# Allegro board arena_12-12_v5.brd (continued)
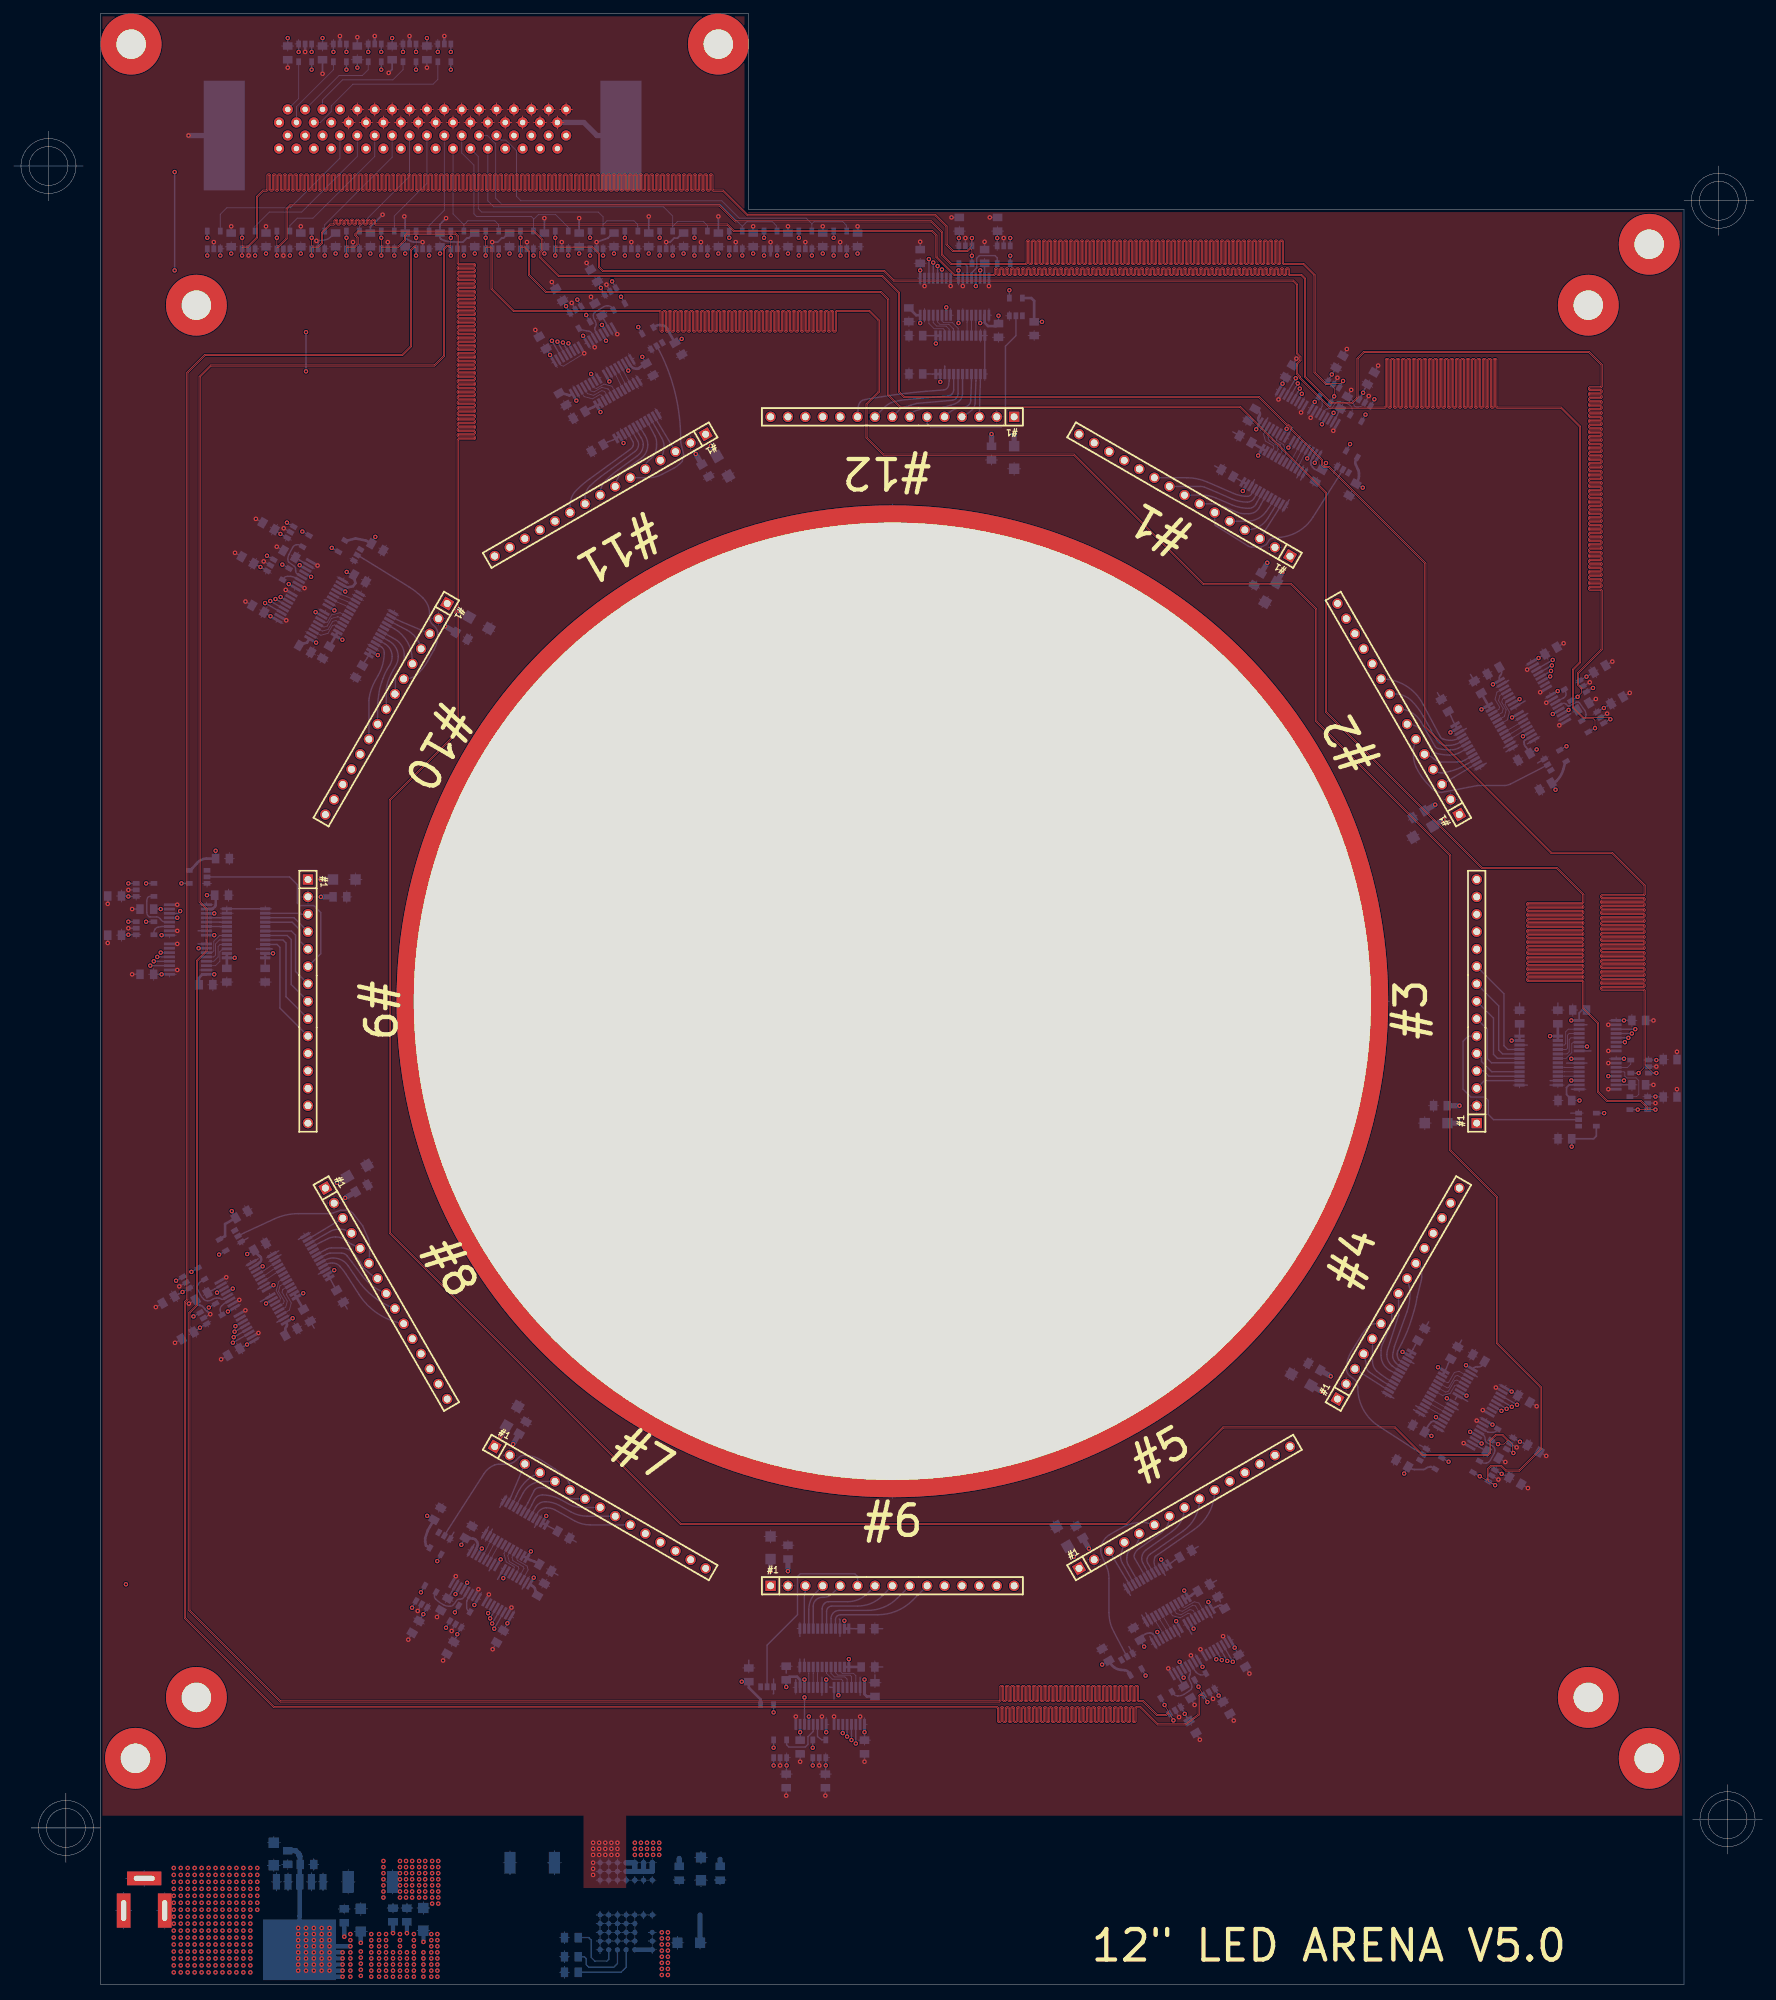
[diagram p0: board, top side]
## Routing (per net, layer and track width the routed paths; a pad name or vN(x,y) marks a point on that pad's centre or on a via; arc(x,y) is an arc through that point) (continued)
S8_P: length 513.7
  TOP w0.089: v1(233.09,184.67) 232.85,184.91 229.24,184.91 227.71,186.44 227.71,191.9 228.73,192.91 228.73,227.46 225.93,230.25 216.6,230.25 216.53,230.31 216.53,237.2 216.36,237.36 216.13,237.36 215.96,237.2 215.96,230.31 215.9,230.25 215.81,230.25 215.75,230.31 215.75,237.2 215.58,237.36 215.34,237.36 215.17,237.2 215.17,230.31 215.11,230.25 215.02,230.25 214.96,230.31 214.96,237.2 214.79,237.36 214.55,237.36 214.39,237.2 214.39,230.31 214.32,230.25 214.23,230.25 214.17,230.31 214.17,237.2 214,237.36 213.77,237.36 213.6,237.2 213.6,230.31 213.54,230.25 213.45,230.25 213.38,230.31 213.38,237.2 213.22,237.36 212.98,237.36 212.81,237.2 212.81,230.31 212.75,230.25 212.66,230.25 212.6,230.31 212.6,237.2 212.43,237.36 212.19,237.36 212.02,237.2 212.02,230.31 211.96,230.25 211.87,230.25 211.81,230.31 211.81,237.2 211.64,237.36 211.4,237.36 211.24,237.2 211.24,230.31 211.17,230.25 211.08,230.25 211.02,230.31 211.02,237.2 210.85,237.36 210.62,237.36 210.45,237.2 210.45,230.31 210.39,230.25 210.3,230.25 210.23,230.31 210.23,237.2 210.07,237.36 209.83,237.36 209.66,237.2 209.66,230.31 209.6,230.25 209.51,230.25 209.45,230.31 209.45,237.2 209.28,237.36 209.04,237.36 208.87,237.2 208.87,230.31 208.81,230.25 208.72,230.25 208.66,230.31 208.66,237.2 208.49,237.36 208.25,237.36 208.09,237.2 208.09,230.31 208.02,230.25 207.93,230.25 207.87,230.31 207.87,237.2 207.7,237.36 207.47,237.36 207.3,237.2 207.3,230.31 207.24,230.25 207.15,230.25 207.08,230.31 207.08,237.2 206.92,237.36 206.68,237.36 206.51,237.2 206.51,230.31 206.45,230.25 206.36,230.25 206.3,230.31 206.3,237.2 206.13,237.36 205.89,237.36 205.72,237.2 205.72,230.31 205.66,230.25 205.57,230.25 205.51,230.31 205.51,237.2 205.34,237.36 205.11,237.36 204.94,237.2 204.94,230.31 204.87,230.25 204.78,230.25 204.72,230.31 204.72,237.2 204.55,237.36 204.32,237.36 204.15,237.2 204.15,230.31 204.09,230.25 204,230.25 203.93,230.31 203.93,237.2 203.77,237.36 203.53,237.36 203.36,237.2 203.36,230.31 203.3,230.25 203.21,230.25 203.15,230.31 203.15,237.2 202.98,237.36 202.74,237.36 202.58,237.2 202.58,230.31 202.51,230.25 202.42,230.25 202.36,230.31 202.36,237.2 202.19,237.36 201.96,237.36 201.79,237.2 201.79,230.31 201.72,230.25 201.64,230.25 201.57,230.31 201.57,237.2 201.4,237.36 201.17,237.36 201,237.2 201,230.31 200.94,230.25 200.85,230.25 200.78,230.31 200.78,237.2 200.62,237.36 200.38,237.36 200.21,237.2 200.21,230.31 200.15,230.25 192.15,230.25 187.84,234.57 187.84,234.73 187.45,235.12 187.45,236.55 187.93,237.03 187.93,237.6 187.45,238.08 187.45,248.16 186.82,248.79 128.52,248.79 127.13,250.19 86.05,250.19 85.54,250.71 85.54,252.66 84.46,253.74 79.15,253.74 79.06,253.83 v1(79.06,254.95)
  BOTTOM w0.203: U65.4 v1(79.06,254.95) ; U66.3 v1(233.09,184.67)
S9_N: length 507.8
  TOP w0.089: v1(237.08,127.7) 238.2,127.7 238.29,127.79 238.29,128.11 237.54,128.85 232.59,128.85 231.22,130.23 231.22,140.26 229.06,142.42 229.06,146.31 228.99,146.38 221.02,146.38 220.85,146.54 220.85,146.78 221.02,146.95 228.99,146.95 229.06,147.01 229.06,147.1 228.99,147.16 221.02,147.16 220.85,147.33 220.85,147.57 221.02,147.73 228.99,147.73 229.06,147.8 229.06,147.89 228.99,147.95 221.02,147.95 220.85,148.12 220.85,148.35 221.02,148.52 228.99,148.52 229.06,148.58 229.06,148.67 228.99,148.74 221.02,148.74 220.85,148.9 220.85,149.14 221.02,149.31 228.99,149.31 229.06,149.37 229.06,149.46 228.99,149.52 221.02,149.52 220.85,149.69 220.85,149.93 221.02,150.1 228.99,150.1 229.06,150.16 229.06,150.25 228.99,150.31 221.02,150.31 220.85,150.48 220.85,150.72 221.02,150.88 228.99,150.88 229.06,150.95 229.06,151.04 228.99,151.1 221.02,151.1 220.85,151.27 220.85,151.5 221.02,151.67 228.99,151.67 229.06,151.73 229.06,151.82 228.99,151.89 221.02,151.89 220.85,152.05 220.85,152.29 221.02,152.46 228.99,152.46 229.06,152.52 229.06,152.61 228.99,152.67 221.02,152.67 220.85,152.84 220.85,153.08 221.02,153.25 228.99,153.25 229.06,153.31 229.06,153.4 228.99,153.46 221.02,153.46 220.85,153.63 220.85,153.87 221.02,154.03 228.99,154.03 229.06,154.1 229.06,154.19 228.99,154.25 221.02,154.25 220.85,154.42 220.85,154.65 221.02,154.82 228.99,154.82 229.06,154.88 229.06,154.97 228.99,155.04 221.02,155.04 220.85,155.2 220.85,155.44 221.02,155.61 228.99,155.61 229.06,155.67 229.06,155.76 228.99,155.82 221.02,155.82 220.85,155.99 220.85,156.23 221.02,156.4 228.99,156.4 229.06,156.46 229.06,156.55 228.99,156.61 221.02,156.61 220.85,156.78 220.85,157.02 221.02,157.18 228.99,157.18 229.06,157.25 229.06,157.34 228.99,157.4 221.02,157.4 220.85,157.57 220.85,157.8 221.02,157.97 228.99,157.97 229.06,158.03 229.06,159.06 225.22,162.89 214.3,162.89 191.47,185.72 191.47,217.73 179,230.2 129.34,230.2 127.58,231.96 127.58,245.93 126.55,246.96 86,246.96 86,246.96 77.66,246.96 75.13,249.48 75.13,252.91 74.48,253.57 74.07,253.57 73.98,253.48 v1(73.98,252.36)
  BOTTOM w0.203: U67.3 v1(73.98,252.36) ; U68.4 v1(237.08,127.7)
S9_P: length 508
  TOP w0.089: v1(73.98,254.95) 73.98,253.83 74.07,253.74 74.55,253.74 75.31,252.98 75.31,249.56 77.73,247.13 85.92,247.13 85.93,247.14 126.62,247.14 127.76,246 127.76,232.03 129.41,230.38 179.07,230.38 191.64,217.81 191.64,185.8 214.37,163.07 225.3,163.07 229.24,159.13 229.24,157.96 229.07,157.79 221.09,157.79 221.03,157.73 221.03,157.64 221.09,157.58 229.07,157.58 229.24,157.41 229.24,157.17 229.07,157.01 221.09,157.01 221.03,156.94 221.03,156.85 221.09,156.79 229.07,156.79 229.24,156.62 229.24,156.39 229.07,156.22 221.09,156.22 221.03,156.15 221.03,156.07 221.09,156 229.07,156 229.24,155.83 229.24,155.6 229.07,155.43 221.09,155.43 221.03,155.37 221.03,155.28 221.09,155.21 229.07,155.21 229.24,155.05 229.24,154.81 229.07,154.64 221.09,154.64 221.03,154.58 221.03,154.49 221.09,154.43 229.07,154.43 229.24,154.26 229.24,154.02 229.07,153.86 221.09,153.86 221.03,153.79 221.03,153.7 221.09,153.64 229.07,153.64 229.24,153.47 229.24,153.24 229.07,153.07 221.09,153.07 221.03,153 221.03,152.92 221.09,152.85 229.07,152.85 229.24,152.68 229.24,152.45 229.07,152.28 221.09,152.28 221.03,152.22 221.03,152.13 221.09,152.06 229.07,152.06 229.24,151.9 229.24,151.66 229.07,151.49 221.09,151.49 221.03,151.43 221.03,151.34 221.09,151.28 229.07,151.28 229.24,151.11 229.24,150.87 229.07,150.71 221.09,150.71 221.03,150.64 221.03,150.55 221.09,150.49 229.07,150.49 229.24,150.32 229.24,150.09 229.07,149.92 221.09,149.92 221.03,149.85 221.03,149.77 221.09,149.7 229.07,149.7 229.24,149.53 229.24,149.3 229.07,149.13 221.09,149.13 221.03,149.07 221.03,148.98 221.09,148.92 229.07,148.92 229.24,148.75 229.24,148.51 229.07,148.34 221.09,148.34 221.03,148.28 221.03,148.19 221.09,148.13 229.07,148.13 229.24,147.96 229.24,147.72 229.07,147.56 221.09,147.56 221.03,147.49 221.03,147.4 221.09,147.34 229.07,147.34 229.24,147.17 229.24,146.94 229.07,146.77 221.09,146.77 221.03,146.71 221.03,146.62 221.09,146.55 229.07,146.55 229.24,146.39 229.24,142.49 231.39,140.33 231.39,130.3 232.66,129.03 237.62,129.03 238.47,128.18 238.47,127.79 238.56,127.7 v1(239.67,127.7)
  BOTTOM w0.203: U68.3 v1(239.67,127.7) ; U67.4 v1(73.98,254.95)
S10_N: length 500.2
  TOP w0.089: v1(68.9,252.36) 68.9,253.48 68.99,253.57 69.52,253.57 69.67,253.42 69.67,247.45 72.94,244.18 94.28,244.18 94.34,244.11 94.34,241.34 94.51,241.17 94.74,241.17 94.91,241.34 94.91,244.11 94.98,244.18 95.06,244.18 95.13,244.11 95.13,241.34 95.3,241.17 95.53,241.17 95.7,241.34 95.7,244.11 95.76,244.18 95.85,244.18 95.92,244.11 95.92,241.34 96.08,241.17 96.32,241.17 96.49,241.34 96.49,244.11 96.55,244.18 96.64,244.18 96.7,244.11 96.7,241.34 96.87,241.17 97.11,241.17 97.27,241.34 97.27,244.11 97.34,244.18 97.43,244.18 97.49,244.11 97.49,241.34 97.66,241.17 97.89,241.17 98.06,241.34 98.06,244.11 98.13,244.18 98.21,244.18 98.28,244.11 98.28,241.34 98.45,241.17 98.68,241.17 98.85,241.34 98.85,244.11 98.91,244.18 99,244.18 99.07,244.11 99.07,241.34 99.23,241.17 99.47,241.17 99.64,241.34 99.64,244.11 99.7,244.18 99.79,244.18 99.85,244.11 99.85,241.34 100.02,241.17 100.26,241.17 100.42,241.34 100.42,244.11 100.49,244.18 100.58,244.18 100.64,244.11 100.64,241.34 100.81,241.17 101.04,241.17 101.21,241.34 101.21,244.11 101.27,244.18 101.36,244.18 101.43,244.11 101.43,241.34 101.59,241.17 101.83,241.17 102,241.34 102,244.11 102.06,244.18 102.15,244.18 102.21,244.11 102.21,241.34 102.38,241.17 102.62,241.17 102.79,241.34 102.79,244.11 102.85,244.18 102.94,244.18 103,244.11 103,241.34 103.17,241.17 103.41,241.17 103.57,241.34 103.57,244.11 103.64,244.18 103.73,244.18 103.79,244.11 103.79,241.34 103.96,241.17 104.19,241.17 104.36,241.34 104.36,244.11 104.42,244.18 104.51,244.18 104.58,244.11 104.58,241.34 104.74,241.17 104.98,241.17 105.15,241.34 105.15,244.11 105.21,244.18 105.3,244.18 105.36,244.11 105.36,241.34 105.53,241.17 105.77,241.17 105.94,241.34 105.94,244.11 106,244.18 106.09,244.18 106.15,244.11 106.15,241.34 106.32,241.17 106.56,241.17 106.72,241.34 106.72,244.11 106.79,244.18 106.88,244.18 106.94,244.11 106.94,241.34 107.11,241.17 107.34,241.17 107.51,241.34 107.51,244.11 107.57,244.18 107.66,244.18 107.73,244.11 107.73,241.34 107.89,241.17 108.13,241.17 108.3,241.34 108.3,244.11 108.36,244.18 108.45,244.18 108.51,244.11 108.51,241.34 108.68,241.17 108.92,241.17 109.09,241.34 109.09,244.11 109.15,244.18 109.24,244.18 109.3,244.11 109.3,241.34 109.47,241.17 109.71,241.17 109.87,241.34 109.87,244.11 109.94,244.18 110.03,244.18 110.09,244.11 110.09,241.34 110.26,241.17 110.49,241.17 110.66,241.34 110.66,244.11 110.72,244.18 110.81,244.18 110.88,244.11 110.88,241.34 111.04,241.17 111.28,241.17 111.45,241.34 111.45,244.11 111.51,244.18 111.6,244.18 111.66,244.11 111.66,241.34 111.83,241.17 112.07,241.17 112.23,241.34 112.23,244.11 112.3,244.18 112.39,244.18 112.45,244.11 112.45,241.34 112.62,241.17 112.85,241.17 113.02,241.34 113.02,244.11 113.09,244.18 113.17,244.18 113.24,244.11 113.24,241.34 113.41,241.17 113.64,241.17 113.81,241.34 113.81,244.11 113.87,244.18 113.96,244.18 114.03,244.11 114.03,241.34 114.19,241.17 114.43,241.17 114.6,241.34 114.6,244.11 114.66,244.18 114.75,244.18 114.81,244.11 114.81,241.34 114.98,241.17 115.22,241.17 115.38,241.34 115.38,244.11 115.45,244.18 115.54,244.18 115.6,244.11 115.6,241.34 115.77,241.17 116,241.17 116.17,241.34 116.17,244.11 116.24,244.18 116.32,244.18 116.39,244.11 116.39,241.34 116.56,241.17 116.79,241.17 116.96,241.34 116.96,244.11 117.02,244.18 117.11,244.18 117.18,244.11 117.18,241.34 117.34,241.17 117.58,241.17 117.75,241.34 117.75,244.11 117.81,244.18 117.9,244.18 117.96,244.11 117.96,241.34 118.13,241.17 118.37,241.17 118.53,241.34 118.53,244.11 118.6,244.18 118.69,244.18 118.75,244.11 118.75,241.34 118.92,241.17 119.15,241.17 119.32,241.34 119.32,244.11 119.39,244.18 119.47,244.18 119.54,244.11 119.54,241.34 119.71,241.17 119.94,241.17 120.11,241.34 120.11,244.11 120.17,244.18 124.89,244.18 126.18,242.88 126.18,232.48 124.41,230.71 124.41,225.73 126.93,223.22 154.74,223.22 173.66,204.29 186.49,204.29 190.07,200.71 190.07,184.33 209.63,164.77 209.63,121.72 216.48,114.86 216.48,93.53 222.83,87.18 222.83,78.18 219.76,75.11 217.88,75.11 217.24,75.74 215.57,75.74 215.18,75.35 215.18,73.77 215.12,73.67 215.11,73.66 214.99,73.62 v1(214.02,74.18)
  BOTTOM w0.203: U69.3 v1(68.9,252.36) ; 213.03,74.75 v1(214.02,74.18)
S10_P: length 500.6
  TOP w0.089: v1(216.27,72.89) 215.3,73.45 215.27,73.57 215.33,73.68 215.35,73.72 215.35,75.27 215.65,75.56 217.17,75.56 217.81,74.93 219.84,74.93 223.01,78.1 223.01,87.25 216.66,93.6 216.66,114.93 209.8,121.79 209.8,164.85 190.25,184.4 190.25,200.79 186.56,204.47 173.74,204.47 154.81,223.39 127,223.39 124.59,225.81 124.59,230.63 126.36,232.41 126.36,242.95 124.96,244.36 120.1,244.36 119.93,244.19 119.93,241.41 119.87,241.35 119.78,241.35 119.72,241.41 119.72,244.19 119.55,244.36 119.31,244.36 119.14,244.19 119.14,241.41 119.08,241.35 118.99,241.35 118.93,241.41 118.93,244.19 118.76,244.36 118.52,244.36 118.36,244.19 118.36,241.41 118.29,241.35 118.2,241.35 118.14,241.41 118.14,244.19 117.97,244.36 117.74,244.36 117.57,244.19 117.57,241.41 117.51,241.35 117.42,241.35 117.35,241.41 117.35,244.19 117.19,244.36 116.95,244.36 116.78,244.19 116.78,241.41 116.72,241.35 116.63,241.35 116.57,241.41 116.57,244.19 116.4,244.36 116.16,244.36 115.99,244.19 115.99,241.41 115.93,241.35 115.84,241.35 115.78,241.41 115.78,244.19 115.61,244.36 115.37,244.36 115.21,244.19 115.21,241.41 115.14,241.35 115.05,241.35 114.99,241.41 114.99,244.19 114.82,244.36 114.59,244.36 114.42,244.19 114.42,241.41 114.36,241.35 114.27,241.35 114.2,241.41 114.2,244.19 114.04,244.36 113.8,244.36 113.63,244.19 113.63,241.41 113.57,241.35 113.48,241.35 113.42,241.41 113.42,244.19 113.25,244.36 113.01,244.36 112.84,244.19 112.84,241.41 112.78,241.35 112.69,241.35 112.63,241.41 112.63,244.19 112.46,244.36 112.22,244.36 112.06,244.19 112.06,241.41 111.99,241.35 111.9,241.35 111.84,241.41 111.84,244.19 111.67,244.36 111.44,244.36 111.27,244.19 111.27,241.41 111.21,241.35 111.12,241.35 111.05,241.41 111.05,244.19 110.89,244.36 110.65,244.36 110.48,244.19 110.48,241.41 110.42,241.35 110.33,241.35 110.27,241.41 110.27,244.19 110.1,244.36 109.86,244.36 109.69,244.19 109.69,241.41 109.63,241.35 109.54,241.35 109.48,241.41 109.48,244.19 109.31,244.36 109.08,244.36 108.91,244.19 108.91,241.41 108.84,241.35 108.76,241.35 108.69,241.41 108.69,244.19 108.52,244.36 108.29,244.36 108.12,244.19 108.12,241.41 108.06,241.35 107.97,241.35 107.9,241.41 107.9,244.19 107.74,244.36 107.5,244.36 107.33,244.19 107.33,241.41 107.27,241.35 107.18,241.35 107.12,241.41 107.12,244.19 106.95,244.36 106.71,244.36 106.55,244.19 106.55,241.41 106.48,241.35 106.39,241.35 106.33,241.41 106.33,244.19 106.16,244.36 105.93,244.36 105.76,244.19 105.76,241.41 105.69,241.35 105.61,241.35 105.54,241.41 105.54,244.19 105.37,244.36 105.14,244.36 104.97,244.19 104.97,241.41 104.91,241.35 104.82,241.35 104.75,241.41 104.75,244.19 104.59,244.36 104.35,244.36 104.18,244.19 104.18,241.41 104.12,241.35 104.03,241.35 103.97,241.41 103.97,244.19 103.8,244.36 103.56,244.36 103.4,244.19 103.4,241.41 103.33,241.35 103.24,241.35 103.18,241.41 103.18,244.19 103.01,244.36 102.78,244.36 102.61,244.19 102.61,241.41 102.54,241.35 102.46,241.35 102.39,241.41 102.39,244.19 102.22,244.36 101.99,244.36 101.82,244.19 101.82,241.41 101.76,241.35 101.67,241.35 101.61,241.41 101.61,244.19 101.44,244.36 101.2,244.36 101.03,244.19 101.03,241.41 100.97,241.35 100.88,241.35 100.82,241.41 100.82,244.19 100.65,244.36 100.41,244.36 100.25,244.19 100.25,241.41 100.18,241.35 100.09,241.35 100.03,241.41 100.03,244.19 99.86,244.36 99.63,244.36 99.46,244.19 99.46,241.41 99.4,241.35 99.31,241.35 99.24,241.41 99.24,244.19 99.08,244.36 98.84,244.36 98.67,244.19 98.67,241.41 98.61,241.35 98.52,241.35 98.46,241.41 98.46,244.19 98.29,244.36 98.05,244.36 97.88,244.19 97.88,241.41 97.82,241.35 97.73,241.35 97.67,241.41 97.67,244.19 97.5,244.36 97.26,244.36 97.1,244.19 97.1,241.41 97.03,241.35 96.94,241.35 96.88,241.41 96.88,244.19 96.71,244.36 96.48,244.36 96.31,244.19 96.31,241.41 96.25,241.35 96.16,241.35 96.09,241.41 96.09,244.19 95.93,244.36 95.69,244.36 95.52,244.19 95.52,241.41 95.46,241.35 95.37,241.35 95.31,241.41 95.31,244.19 95.14,244.36 94.9,244.36 94.73,244.19 94.73,241.41 94.67,241.35 94.58,241.35 94.52,241.41 94.52,244.19 94.35,244.36 73.02,244.36 69.85,247.52 69.85,253.49 69.6,253.74 68.99,253.74 68.9,253.83 v1(68.9,254.95)
  BOTTOM w0.203: 215.28,73.46 v1(216.27,72.89) ; U69.4 v1(68.9,254.95)
S11_N: length 498.1
  TOP w0.089: v1(168.01,40.81) 168.57,39.84 168.54,39.72 168.53,39.71 168.4,39.64 168.19,39.42 166.95,39.42 164.92,41.45 164.28,41.45 164.22,41.52 164.22,43.52 164.05,43.69 163.81,43.69 163.65,43.52 163.65,41.52 163.58,41.45 163.49,41.45 163.43,41.52 163.43,43.52 163.26,43.69 163.03,43.69 162.86,43.52 162.86,41.52 162.8,41.45 162.71,41.45 162.64,41.52 162.64,43.52 162.48,43.69 162.24,43.69 162.07,43.52 162.07,41.52 162.01,41.45 161.92,41.45 161.86,41.52 161.86,43.52 161.69,43.69 161.45,43.69 161.28,43.52 161.28,41.52 161.22,41.45 161.13,41.45 161.07,41.52 161.07,43.52 160.9,43.69 160.67,43.69 160.5,43.52 160.5,41.52 160.43,41.45 160.35,41.45 160.28,41.52 160.28,43.52 160.11,43.69 159.88,43.69 159.71,43.52 159.71,41.52 159.65,41.45 159.56,41.45 159.49,41.52 159.49,43.52 159.33,43.69 159.09,43.69 158.92,43.52 158.92,41.52 158.86,41.45 158.77,41.45 158.71,41.52 158.71,43.52 158.54,43.69 158.3,43.69 158.14,43.52 158.14,41.52 158.07,41.45 157.98,41.45 157.92,41.52 157.92,43.52 157.75,43.69 157.52,43.69 157.35,43.52 157.35,41.52 157.28,41.45 157.2,41.45 157.13,41.52 157.13,43.52 156.96,43.69 156.73,43.69 156.56,43.52 156.56,41.52 156.5,41.45 156.41,41.45 156.34,41.52 156.34,43.52 156.18,43.69 155.94,43.69 155.77,43.52 155.77,41.52 155.71,41.45 155.62,41.45 155.56,41.52 155.56,43.52 155.39,43.69 155.15,43.69 154.99,43.52 154.99,41.52 154.92,41.45 154.83,41.45 154.77,41.52 154.77,43.52 154.6,43.69 154.37,43.69 154.2,43.52 154.2,41.52 154.13,41.45 154.05,41.45 153.98,41.52 153.98,43.52 153.81,43.69 153.58,43.69 153.41,43.52 153.41,41.52 153.35,41.45 153.26,41.45 153.2,41.52 153.2,43.52 153.03,43.69 152.79,43.69 152.62,43.52 152.62,41.52 152.56,41.45 152.47,41.45 152.41,41.52 152.41,43.52 152.24,43.69 152,43.69 151.84,43.52 151.84,41.52 151.77,41.45 151.68,41.45 151.62,41.52 151.62,43.52 151.45,43.69 151.22,43.69 151.05,43.52 151.05,41.52 150.99,41.45 150.9,41.45 150.83,41.52 150.83,43.52 150.67,43.69 150.43,43.69 150.26,43.52 150.26,41.52 150.2,41.45 150.11,41.45 150.05,41.52 150.05,43.52 149.88,43.69 149.64,43.69 149.47,43.52 149.47,41.52 149.41,41.45 149.32,41.45 149.26,41.52 149.26,43.52 149.09,43.69 148.85,43.69 148.69,43.52 148.69,41.52 148.62,41.45 148.53,41.45 148.47,41.52 148.47,43.52 148.3,43.69 148.07,43.69 147.9,43.52 147.9,41.52 147.84,41.45 147.75,41.45 147.68,41.52 147.68,43.52 147.52,43.69 147.28,43.69 147.11,43.52 147.11,41.52 147.05,41.45 146.96,41.45 146.9,41.52 146.9,43.52 146.73,43.69 146.49,43.69 146.32,43.52 146.32,41.52 146.26,41.45 146.17,41.45 146.11,41.52 146.11,43.52 145.94,43.69 145.7,43.69 145.54,43.52 145.54,41.52 145.47,41.45 145.38,41.45 145.32,41.52 145.32,43.52 145.15,43.69 144.92,43.69 144.75,43.52 144.75,41.52 144.69,41.45 144.6,41.45 144.53,41.52 144.53,43.52 144.37,43.69 144.13,43.69 143.96,43.52 143.96,41.52 143.85,41.41 38.98,41.41 25.74,54.65 25.74,98 26.85,99.11 26.85,149.4 28.24,150.8 28.24,157.05 27.23,158.06 27.23,234.62 28.83,236.22 61.47,236.22 62.91,237.66 62.91,253.29 63.32,253.7 63.4,253.7 63.53,253.57 63.73,253.57 63.82,253.48 v1(63.82,252.36)
  BOTTOM w0.203: 167.44,41.8 v1(168.01,40.81) ; U71.3 v1(63.82,252.36)
S11_P: length 498.8
  TOP w0.089: v1(169.31,38.56) 168.74,39.53 168.62,39.56 168.51,39.5 168.26,39.24 166.88,39.24 164.85,41.27 164.21,41.27 164.04,41.44 164.04,43.45 163.98,43.51 163.89,43.51 163.82,43.45 163.82,41.44 163.66,41.27 163.42,41.27 163.25,41.44 163.25,43.45 163.19,43.51 163.1,43.51 163.04,43.45 163.04,41.44 162.87,41.27 162.63,41.27 162.47,41.44 162.47,43.45 162.4,43.51 162.31,43.51 162.25,43.45 162.25,41.44 162.08,41.27 161.85,41.27 161.68,41.44 161.68,43.45 161.62,43.51 161.53,43.51 161.46,43.45 161.46,41.44 161.3,41.27 161.06,41.27 160.89,41.44 160.89,43.45 160.83,43.51 160.74,43.51 160.68,43.45 160.68,41.44 160.51,41.27 160.27,41.27 160.1,41.44 160.1,43.45 160.04,43.51 159.95,43.51 159.89,43.45 159.89,41.44 159.72,41.27 159.48,41.27 159.32,41.44 159.32,43.45 159.25,43.51 159.16,43.51 159.1,43.45 159.1,41.44 158.93,41.27 158.7,41.27 158.53,41.44 158.53,43.45 158.47,43.51 158.38,43.51 158.31,43.45 158.31,41.44 158.15,41.27 157.91,41.27 157.74,41.44 157.74,43.45 157.68,43.51 157.59,43.51 157.53,43.45 157.53,41.44 157.36,41.27 157.12,41.27 156.95,41.44 156.95,43.45 156.89,43.51 156.8,43.51 156.74,43.45 156.74,41.44 156.57,41.27 156.33,41.27 156.17,41.44 156.17,43.45 156.1,43.51 156.01,43.51 155.95,43.45 155.95,41.44 155.78,41.27 155.55,41.27 155.38,41.44 155.38,43.45 155.32,43.51 155.23,43.51 155.16,43.45 155.16,41.44 155,41.27 154.76,41.27 154.59,41.44 154.59,43.45 154.53,43.51 154.44,43.51 154.38,43.45 154.38,41.44 154.21,41.27 153.97,41.27 153.8,41.44 153.8,43.45 153.74,43.51 153.65,43.51 153.59,43.45 153.59,41.44 153.42,41.27 153.18,41.27 153.02,41.44 153.02,43.45 152.95,43.51 152.86,43.51 152.8,43.45 152.8,41.44 152.63,41.27 152.4,41.27 152.23,41.44 152.23,43.45 152.17,43.51 152.08,43.51 152.01,43.45 152.01,41.44 151.85,41.27 151.61,41.27 151.44,41.44 151.44,43.45 151.38,43.51 151.29,43.51 151.23,43.45 151.23,41.44 151.06,41.27 150.82,41.27 150.66,41.44 150.66,43.45 150.59,43.51 150.5,43.51 150.44,43.45 150.44,41.44 150.27,41.27 150.04,41.27 149.87,41.44 149.87,43.45 149.8,43.51 149.72,43.51 149.65,43.45 149.65,41.44 149.48,41.27 149.25,41.27 149.08,41.44 149.08,43.45 149.02,43.51 148.93,43.51 148.86,43.45 148.86,41.44 148.7,41.27 148.46,41.27 148.29,41.44 148.29,43.45 148.23,43.51 148.14,43.51 148.08,43.45 148.08,41.44 147.91,41.27 147.67,41.27 147.51,41.44 147.51,43.45 147.44,43.51 147.35,43.51 147.29,43.45 147.29,41.44 147.12,41.27 146.89,41.27 146.72,41.44 146.72,43.45 146.65,43.51 146.57,43.51 146.5,43.45 146.5,41.44 146.33,41.27 146.1,41.27 145.93,41.44 145.93,43.45 145.87,43.51 145.78,43.51 145.71,43.45 145.71,41.44 145.55,41.27 145.31,41.27 145.14,41.44 145.14,43.45 145.08,43.51 144.99,43.51 144.93,43.45 144.93,41.44 144.76,41.27 144.52,41.27 144.36,41.44 144.36,43.45 144.29,43.51 144.2,43.51 144.14,43.45 144.14,41.44 143.93,41.23 38.91,41.23 25.56,54.58 25.56,98.08 26.67,99.18 26.67,149.48 28.07,150.88 28.07,156.97 27.05,157.99 27.05,234.7 28.75,236.4 61.39,236.4 62.73,237.74 62.73,253.36 63.25,253.87 63.47,253.87 63.6,253.74 63.73,253.74 63.82,253.83 v1(63.82,254.95)
  BOTTOM w0.203: U71.4 v1(63.82,254.95) ; 168.73,39.55 v1(169.31,38.56)
SCK0: length 7.4
  BOTTOM w0.203: U50.5 112.84,34.99 113.15,34.67 115.57,34.67 115.95,35.05 115.95,36.18 116.71,36.94 U13.4
SCK1: length 7
  BOTTOM w0.203: 66.17,57.34 65.73,56.58 arc(65.64,56.46) 65.53,56.35 65.51,56.34 arc(65.4,56.28) 65.28,56.26 65.01,56.26 arc(64.8,56.21) 64.65,56.05 arc(64.41,55.69) 64.12,55.36 arc(63.96,55.25) 63.76,55.21 63.62,55.21 arc(63.2,55.26) 62.8,55.4 arc(62.16,55.79) 61.58,56.29 arc(61.42,56.62) 61.49,56.98 61.67,57.29
SCK2: length 7.6
  BOTTOM w0.203: 27.89,102.95 27.34,102.63 arc(26.94,102.24) 26.8,101.69 26.8,101.53 27.26,100.68 arc(27.46,100.34) 27.72,100.03 arc(27.99,99.85) 28.31,99.79 arc(28.66,99.84) 28.97,99.97 29.1,100.06 arc(29.35,100.17) 29.62,100.2 29.95,100.2 arc(30.14,100.16) 30.3,100.06 arc(30.42,100) 30.55,100.02 31.31,100.46
SCK3: length 7.1
  BOTTOM w0.203: U16.4 22.15,155.08 arc(21.76,155.18) 21.46,155.46 21.41,155.53 arc(21.17,155.75) 20.85,155.83 19.88,155.83 arc(19.82,155.84) 19.75,155.87 19.74,155.87 arc(19.51,156.13) 19.43,156.46 19.43,158.14 arc(19.46,158.38) 19.54,158.61 arc(19.68,158.76) 19.87,158.82 U56.5
SCK4: length 7.1
  BOTTOM w0.203: U58.5 41.84,210.05 arc(41.54,210.15) 41.22,210.14 arc(40.94,210) 40.73,209.76 40.18,208.71 arc(40.06,208.4) 40.02,208.07 40.02,207.94 arc(40.05,207.76) 40.16,207.6 arc(40.17,207.59) 40.19,207.57 40.93,207.04 arc(41.09,206.85) 41.15,206.62 41.15,206.41 arc(41.15,206.38) 41.15,206.34 41.18,206.19 arc(41.24,206.02) 41.37,205.91 42.1,205.49
SCK5: length 7.1
  BOTTOM w0.203: 85.34,240.6 84.91,241.36 arc(84.85,241.5) 84.83,241.65 84.84,241.73 arc(84.85,241.8) 84.88,241.87 84.89,241.88 arc(84.99,242.07) 85.03,242.29 arc(84.98,242.59) 84.86,242.86 84.82,242.91 arc(84.67,243.24) 84.62,243.6 arc(84.69,243.9) 84.89,244.12 86.1,244.87 arc(86.37,244.99) 86.65,245.03 86.72,245.03 arc(87.15,244.91) 87.47,244.59 U60.5
SCK6: length 7.4
  BOTTOM w0.203: U19.4 139.83,249.81 140.59,250.57 140.59,251.97 140.97,252.35 143.26,252.35 143.58,252.03 U62.5
SCK7: length 6.7
  BOTTOM w0.127: 191.01,229.04 191.4,229.73 arc(191.53,229.87) 191.7,229.95 191.84,229.98 arc(191.9,229.99) 191.95,230 192.16,230 arc(192.38,230.05) 192.54,230.2 192.97,230.84 arc(193.13,230.99) 193.34,231.04 193.68,231.04 arc(194.09,230.99) 194.47,230.84 195.02,230.54 arc(195.26,230.33) 195.4,230.04 195.4,230.03 arc(195.4,229.7) 195.3,229.39 U64.5
SCK8: length 6.8
  BOTTOM w0.203: 225.36,186.56 226.04,186.95 arc(226.35,187.01) 226.64,186.87 226.83,186.68 226.9,186.65 226.91,186.63 227.02,186.6 227.12,186.6 228.12,187.18 228.37,187.18 arc(228.39,187.17) 228.42,187.17 arc(228.51,187.13) 228.58,187.06 229.33,185.99 arc(229.48,185.7) 229.53,185.37 229.53,185.32 arc(229.42,184.88) 229.1,184.56 U66.5
SCK9: length 7.6
  BOTTOM w0.127: U68.5 236.92,129.6 237.24,129.92 237.24,131.95 236.86,132.33 235.46,132.33 235.2,132.59 235.2,133.1 235.08,133.22 233.93,133.22
SCK10: length 7.2
  BOTTOM w0.203: 213.98,76.4 214.3,76.22 arc(214.62,76.11) 214.97,76.11 215,76.12 arc(215.34,76.27) 215.58,76.55 216.13,77.55 arc(216.21,77.77) 216.24,78.01 arc(216.14,78.36) 215.89,78.62 215.05,79.09 arc(215.02,79.11) 215,79.13 arc(214.87,79.33) 214.82,79.56 arc(214.69,80.06) 214.33,80.42 U23.4
SCK11: length 7
  BOTTOM w0.203: 169.09,42.75 169.19,42.56 arc(169.51,42.24) 169.95,42.12 169.95,42.12 arc(170.42,42.18) 170.85,42.35 171.53,42.81 arc(171.7,42.93) 171.86,43.08 arc(171.97,43.24) 172.01,43.43 arc(171.98,43.7) 171.89,43.95 171.65,44.44 arc(171.59,44.61) 171.57,44.78 arc(171.59,44.94) 171.64,45.09 171.66,45.13 arc(171.7,45.21) 171.74,45.3 171.77,45.37 arc(171.8,45.52) 171.75,45.67 171.32,46.42
SCK_0: length 62.6
  BOTTOM w0.127: 116.52,256.98 U49.5 ; 116.52,256.98 116.52,256.99 115.7,257.81 105.92,257.81 103.38,260.35 74.04,260.35 73.41,260.99 73.41,267.65 71.85,269.2 71.16,269.2 70.49,269.88 ; 116.52,256.98 116.84,257.3 121.03,257.3 121.54,256.79 121.54,256.68 121.6,256.62 U51.5
SCK_1: length 44.1
  BOTTOM w0.127: 96.2,256.62 U53.5 ; 96.2,256.62 96.88,257.3 100.71,257.3 101.28,256.73 U55.5 ; 96.2,256.62 96.2,258.13 94.87,259.46 70.1,259.46 69.22,260.35 J26.44
SCK_2: length 55.6
  BOTTOM w0.127: U57.5 111.38,255.99 111.38,256.67 110.74,257.3 107.04,257.3 106.36,256.62 ; 106.36,256.62 U59.5 ; 106.36,256.62 103.14,259.84 71.25,259.84 70.36,260.73 70.36,268.67 69.15,269.88 67.95,269.88
SCK_3: length 36.5
  BOTTOM w0.127: J26.46 67.82,266.83 67.82,259.21 68.33,258.7 85.34,258.7 86.04,258 86.04,256.85 ; U63.5 91.12,256.62 91.06,256.68 91.06,256.92 90.55,257.43 86.61,257.43 86.04,256.85 ; 86.04,256.85 U61.5
SCK_4: length 29.7
  BOTTOM w0.127: 65.41,269.88 65.41,267.33 67.18,265.56 67.18,258.44 67.56,258.06 75.57,258.06 75.88,257.75 75.88,257.61 ; 75.88,257.61 U67.5 ; 75.88,257.61 76.6,258.33 79.11,258.33 80.96,256.48 U65.5
SCK_5: length 19.2
  BOTTOM w0.127: J26.48 64.14,258.44 65.72,256.85 ; 65.72,256.85 U71.5 ; 65.72,256.85 66.29,257.43 70.23,257.43 70.8,256.86 U69.5
N625249: length 23.9
  BOTTOM w0.127: 50.67,10.11 C204.1 ; C204.1 51.62,11.05 ; C204.1 49.73,11.05 ; C204.1 50.67,11.99 ; C206.1 49.14,11.03 ; C206.1 47.38,11.03 ; C206.1 48.26,11.77 ; C206.1 48.26,10.3 ; L1.1 49.84,14.99 ; L1.1 47.83,14.99 ; L1.1 48.83,13.22 ; L1.1 48.83,16.75 ; C205.1 43.8,18.41 ; C205.1 43.07,17.53 ; C205.1 44.53,17.53 ; C205.1 43.8,16.64 ; U101.4 44.17,14.99 ; U101.4 43.46,13.66 ; U101.4 42.75,14.99 ; U101.4 43.46,16.31 ; U101.5 45.87,14.99 ; U101.5 45.16,16.31 ; U101.5 44.45,14.99 ; U101.5 45.16,13.66
N764345: length 8.9
  BOTTOM w0.203: R63.2 83.95,6.86 84.33,6.48 84.33,3.94 84.84,3.43 86.61,3.43 86.87,3.68 U130.L6
N765949: length 9.1
  BOTTOM w0.203: C212.2 83.31,4.06 83.57,3.81 83.57,2.92 83.95,2.54 87.63,2.54 88.14,3.05 U130.L5
N765953: length 9.9
  BOTTOM w0.203: C211.2 88.65,1.78 89.41,2.54 U130.L4

## Copper pours and planes (outline as drawn; the poured copper is in the pictures)
3.3V on BOTTOM: 53.59,18.67 53.59,10.03 62.36,10.03 62.36,18.67
3.3V on LAYER 2: 43.82,10.67 43.82,72.9 49.55,78.63 205.88,209.71 51.89,75.89 47.88,71.88 47.88,18.92 63.12,18.92 63.12,10.67
5VDC on BOTTOM: 20.7,18.54 40.89,18.54 40.89,9.91 35.56,9.91 35.56,0.38 20.7,0.38
5VDC on BOTTOM: 92.58,8.13 92.58,0.63 98.43,0.63 98.43,8.13
5VDC on PWR: 21.97,0.63 21.97,17.91 36.45,17.91 36.45,11.81 96.9,11.81 96.9,0.63 92.58,0.63 92.58,8.76 36.45,8.76 36.45,0.63
5VDC on LAYER 2: 22.1,0.63 22.1,17.91 33.91,17.91 33.91,73.02 54.42,93.54 200.43,195.89 57.89,88.75 41.02,71.88 41.02,0.63
GND_3V on BOTTOM: 14.22,0.38 14.22,53.97 44.21,83.96 207.23,209.68 54.98,71.11 32.77,48.89 32.77,22.48 74.42,22.48 74.42,11.18 243.33,11.18 243.33,0.63 99.44,0.63 99.44,9.4 91.19,9.4 91.19,0.63 47.24,0.63 47.24,8.13 63.88,8.13 63.88,19.94 19.43,19.94 19.43,0.38
GND_ISO3 on TOP: 83.19,14.1 83.19,24.64 12.95,24.64 12.95,287.27 106.68,287.27 106.68,258.7 126.62,258.7 128.27,258.71 129.92,258.7 243.59,258.7 243.59,24.64 89.41,24.64 89.41,14.1
GND_ISO3 on BOTTOM: 76.71,14.22 76.71,22.61 88.77,22.61 88.77,16 106.17,16 106.17,14.22
GND_ISO3 on PWR, LAYER 1: 83.06,14.35 83.06,22.35 12.95,22.35 12.95,287.4 107.06,287.4 107.06,258.83 243.59,258.83 243.59,22.35 89.28,22.35 89.28,14.35
ISO3.3V on BOTTOM: 90.04,17.4 90.04,34.7 12.96,141.9 87.03,251.21 13.21,251.21 13.21,287.27 106.93,287.27 106.93,256.84 243.6,143.12 106.17,30.32 106.17,17.4
N625249 on BOTTOM: 42.67,9.91 42.67,18.54 52.2,18.54 52.2,9.91

## Text on the board
Ref Des/Silkscreen Bottom: #4
Ref Des/Silkscreen Top: #6 | 12" LED ARENA V5.0 | #5 | #4 | #3 | #2 | #1 | #12 | #11 | #10 | #9 | #8 | #7
XSECTION_CHART: *  SURFACE - AIR 0 MIL | L1 TOP CONDUCTOR - COPPER 1.2 MIL | *  DIELECTRIC - FR-4 8 MIL | L2 PWR CONDUCTOR - COPPER 1.2 MIL | L3 LAYER 1 CONDUCTOR - COPPER 1.2 MIL | L4 GND2 CONDUCTOR - COPPER 1.2 MIL | L5 LAYER 2 CONDUCTOR - COPPER 1.2 MIL | L6 BOTTOM CONDUCTOR - COPPER 1.2 MIL | DESIGN CROSS SECTION CHART | ___________________________ | TOTAL THICKNESS 47.2 MIL | 1-6
DIMENSION: FIGURE | FINISHED_SIZE | 13.0 | 31.5 | 40.0 | 169.5 | 5500.0 | 120.1x29.9 | DRILL CHART: TOP to BOTTOM | ALL UNITS ARE IN MILS | PLATED | QTY | 1006 | 68 | 180 | 9 | 1 | 2
